# Allegro board C112P01-T2-ZDS-A03.brd (continued)
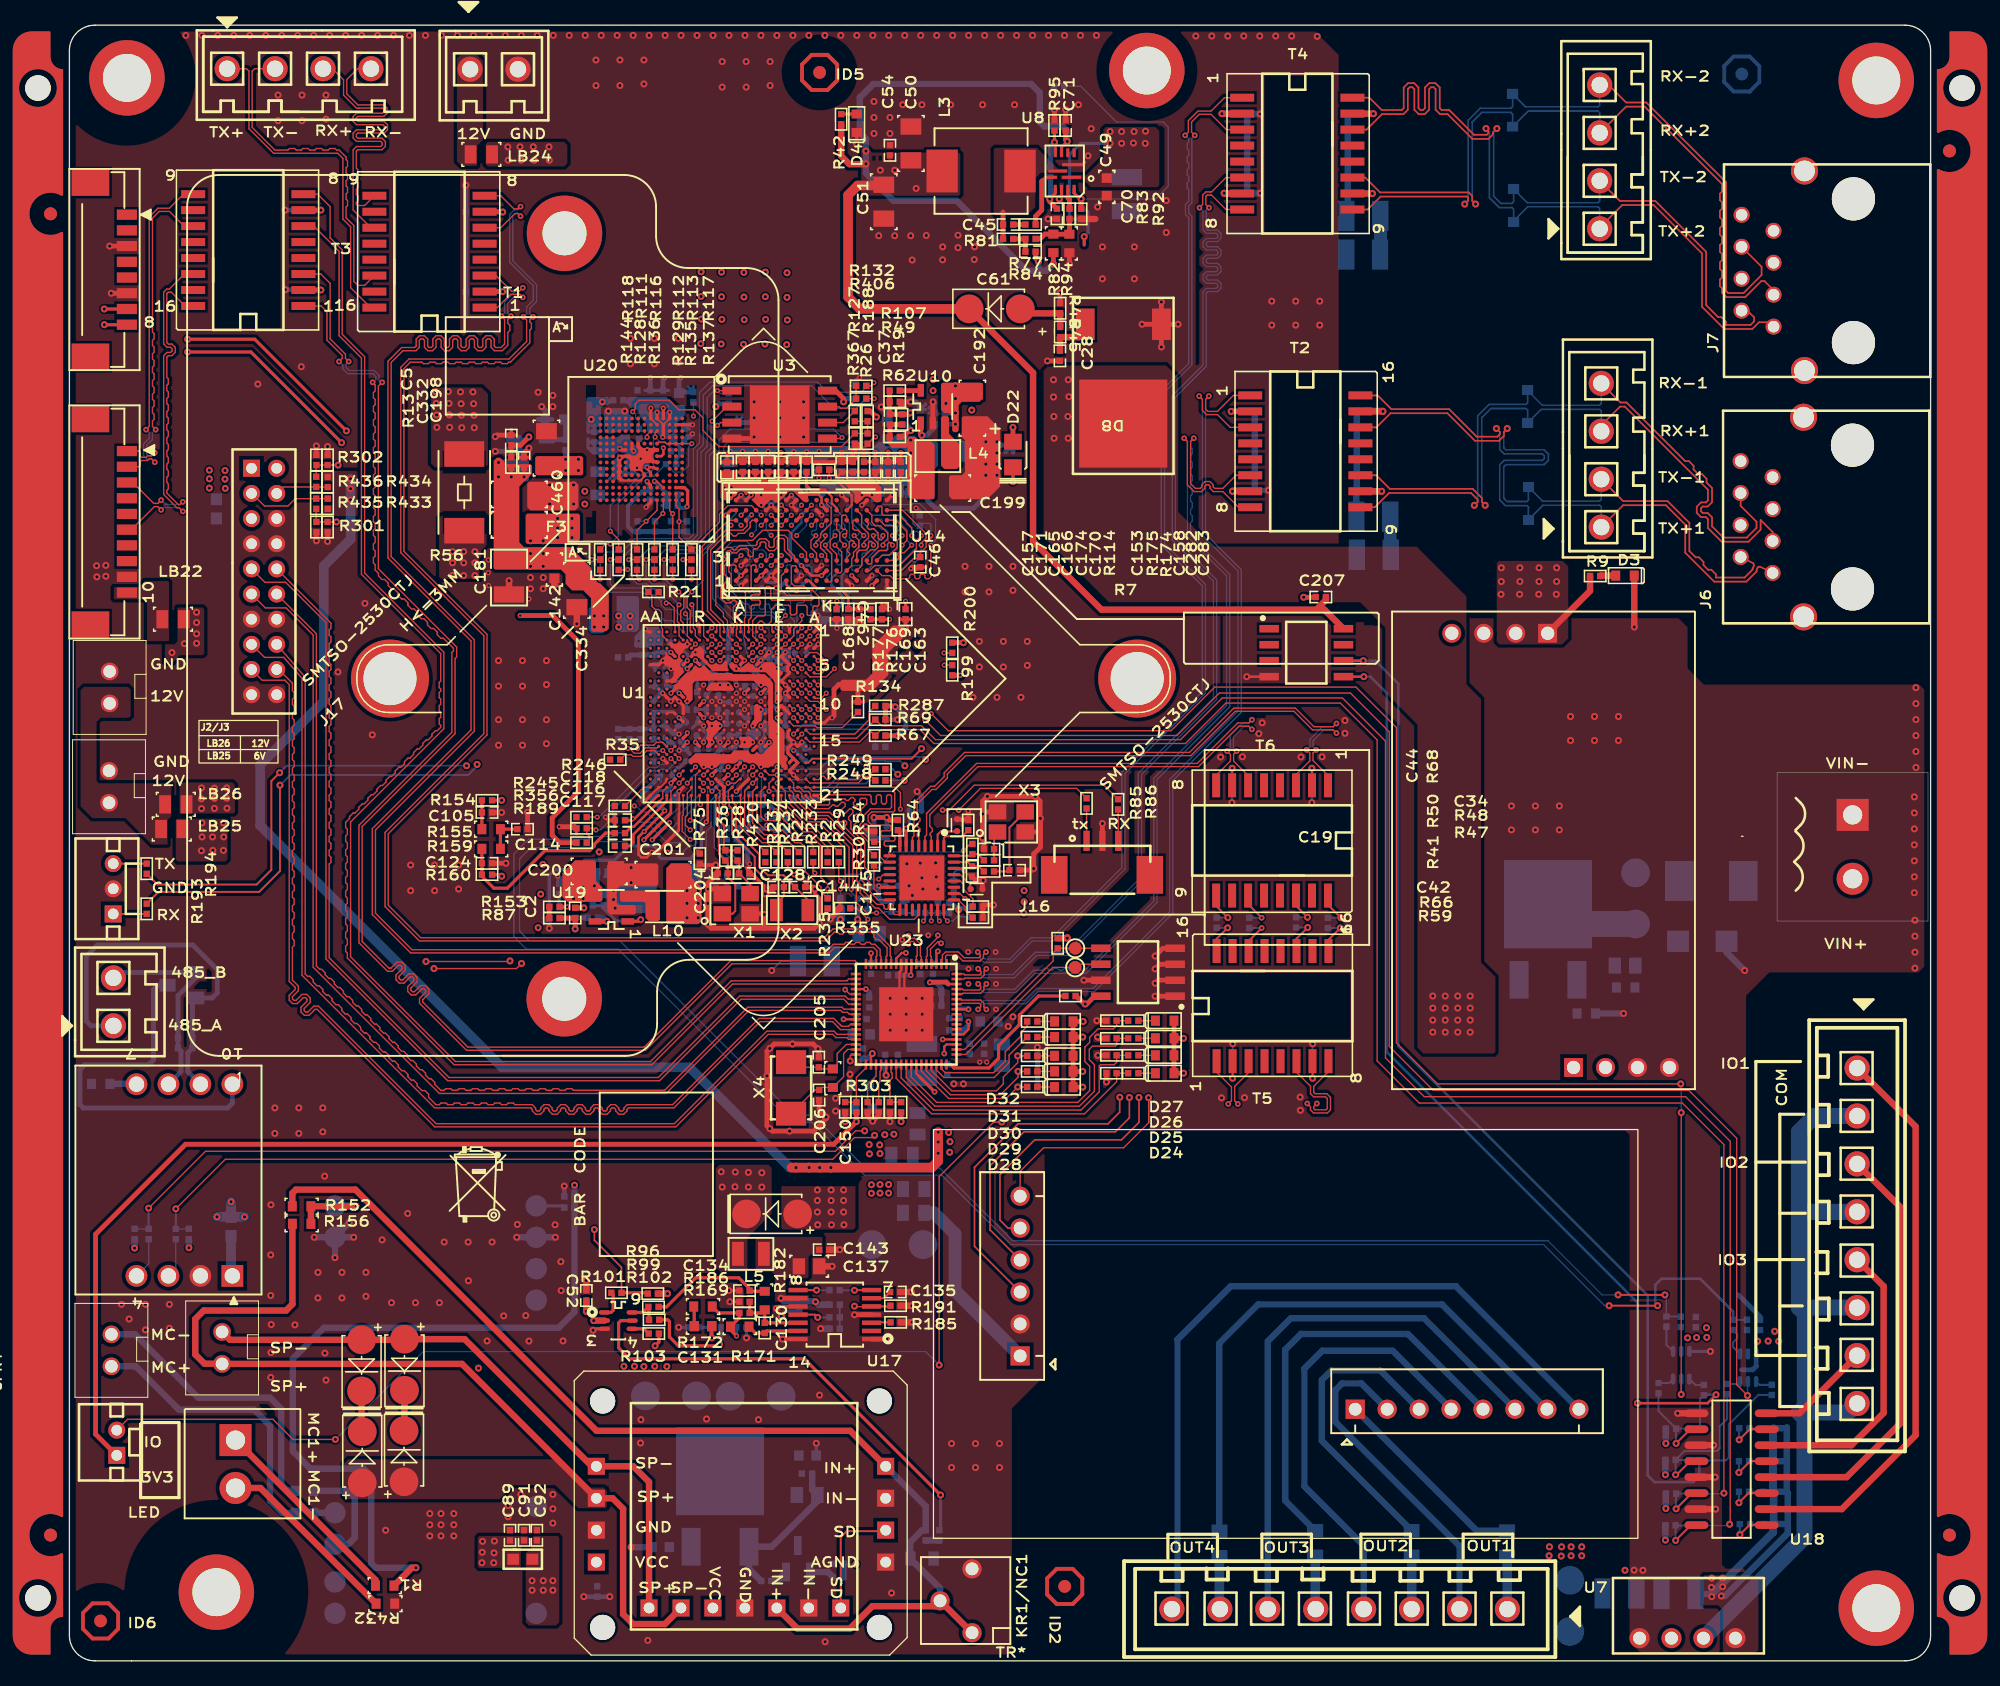
[diagram p0: board, top side]
## Copper pours and planes (outline as drawn; the poured copper is in the pictures) (continued)
N16898246 on TOP: 31.07,127.66 32.42,127.66 32.88,127.2 32.88,120.94 32.41,120.46 32.41,118.91 32.35,118.85 31.17,118.85 30.81,119.22 30.81,127.4
N16937131 on BOTTOM: 129.01,63.84 129.4,63.45 129.4,56.45 129.08,56.13 127.01,56.13 126.8,56.35 126.8,60.77 126.12,61.44 122.91,61.44 122.58,61.77 122.58,63.63 122.8,63.84
N16994610 on BOTTOM: 118.03,0.51 117.68,0.86 117.68,3.33 118.06,3.71 120.14,3.71 120.9,4.47 120.9,6.73 121.01,6.83 122.63,6.83 122.78,6.68 122.78,4.19 123.32,3.66 126.19,3.66 126.97,2.87 128.37,2.87 128.45,2.79 128.45,0.63 128.32,0.51
N17069014 on TOP: 3.58,84.4 5.94,84.4 6.17,84.18 6.17,81.13 6.22,81.08 7.87,81.08 7.92,81.13 7.92,85.75 7.82,85.85 5.99,85.85 5.51,85.37 3.56,85.37 3.53,85.34 3.53,84.45
N17150081 on BOTTOM: 124.04,53.04 125.68,53.04 125.77,53.12 125.77,59.44 125.46,59.74 123.58,59.74 123.37,59.52 123.37,56.86 123.74,56.49 123.74,53.34
N17150088 on BOTTOM: 119.35,51.02 120.23,51.02 120.45,51.23 120.45,52.53 120.9,52.98 123.24,52.98 123.37,53.11 123.37,55.88 123.22,56.03 119.33,56.03 119.04,55.74 119.04,51.33
N17153522 on BOTTOM: 55.66,22.22 58.37,22.22 58.53,22.06 58.53,12.73 57.19,11.38 48.34,11.38 48.02,11.7 48.02,18.38 48.31,18.67 55.04,18.67 55.32,18.95 55.32,21.88
N17602039 on TOP: 73.48,120.17 73.61,120.29 76.91,120.29 78.59,118.62 79.22,118.62 79.32,118.52 79.32,118.39 79.25,118.31 77.22,118.31 76.78,117.88 76.78,115.6 76.15,114.96 73.61,114.96 73.48,115.09
N17619513 on TOP: 36.27,8.53 36.27,3.07 36.53,2.82 38.68,2.82 38.94,3.07 38.94,9.8 38.81,9.93 36.91,9.93 36.78,9.8 36.78,9.04
N17619513 on BOTTOM: 36.27,6.63 36.27,3.07 36.53,2.82 38.68,2.82 38.94,3.07 38.94,6.63 38.68,6.88 36.53,6.88
N17958278 on BOTTOM: 10.87,89.94 15.19,89.94 15.32,90.07 15.32,91.59 15.19,91.72 14.2,91.72 13.87,91.39 10.87,91.39 10.74,91.26 10.74,90.07
N171540091 on BOTTOM: 48.95,19.8 53.56,19.8 53.81,20.05 53.81,21.93 53.56,22.19 48.95,22.19 48.69,21.93 48.69,20.05

## Text on the board
Ref Des/Silkscreen Bottom: B
User.Comments: CR_11_3 | CR_12_3 | CR_UNNAMED_2 | CR_12_4
Ref Des/Assembly Top: L | C
Ref Des/Silkscreen Top: J2/J3 | LB26 | LB25 | 12V | 6V | A | IO1- | IO4+ | IO1+ | IO2- | IO2+ | IO3- | IO3+ | IO4- | VIN+ | TX | RX | G | VIN- | M0- | M0+ | GND | 3V3 | LED | IO | 3V3_BD | RST | SWIM | SPK- | SPK+ | PTX+4 | PTX-4 | PRX+4 | PRX-4 | OUT3 | OUT4 | OUT2 | OUT1 | 5V | RS485_2_B_D- | RS485_2_A_D+ | PRX-1 | PRX+1 | PTX-1 | PTX+1 | PRX-2 | PRX+2 | PTX-2 | PTX+2 | MC- | MC+ | 485_A | 485_B | TX+ | TX- | SP- | SP+ | RX+ | RX- | tx | TX+2 | RX-1 | TX-1 | TX+1 | RX-2 | RX+2 | TX-2 | RX+1 | IO3 | IO2 | IO1 | COM | MC1+ | MC1-
DIMENSION: Surface Finished | Compare With IPC File: | Short Net NO. | Silkscreen Color: | Soldermask Color: | Dielectric Material: | DESIGN BY EDADOC | Tg: | Board Name:C000PG015-T2-ZDS-A02 | [XX] | If the layers  10, TG must be 170 | Layers:06 | Short Net Name: | E-Mail:edadoc@pcbdoc.com | HASL(Sn/Pb) | White | Green | OSP | FR-4 | Default | Golden Finger,Others HASL(Pb-Free) | Golden Finger,Others HASL(Sn/Pb) | Yes | xxxxx | ImAg | Yellow | Other | No | HASL(Pb-Free) | Blue | Mid-Tg | 150 | C | Panel Mode: | Tel: +86-755-88852189 | Board Thickness:1.6 mm+/-10% | ImSn | Immersion Gold(ENIG) | Red | Black | Golden Finger,Others ENIG | Golden Finger,Others OSP | Hi-Tg | 170 | 1x1 | XXXXX | Etched Core | Single Impedance | PREPREG | BOT06 | PWR05 | CORE | TOP01 | ART03 | GND02 | ART04 | Diff Impedance | Layers | 50.0 | (ohm) | 100 | Design Layer | Layer Stack up | Solder Top | 1,6 | 3,4 | 3 | Solder Bot | Silk Top | Silk Bot | Trace Width | Trace W/S | 5.098/5.99 | 4.012/5.99 | (mil) | 4.00 | PP,EC,PP | Tolerance | Type | (OHM) | PP | (%) | + | - | 10 | 5 | Frequency | (MHZ) | 36.08 | 1.6 | 3.5 | 1.2 | 5.12 | Thickness | L2//L5 | L2&L5 | L2 | Ref.Layers | 0.5+plating | (Oz) | 1.0 | is D<0.8MM or D>2.5MM when using V-CUT | D=The board thickness | Please confirm with EQ if the board thickness | B=0.35 0.1MM(0.8MM D 1.2MM) | B=0.40 0.1MM(1.2MM D 1.6MM) | C 0.5mm(Design Recommend)
BODY_CENTER: 59 | 60 | 2
PLACE_BOUND_TOP: M1 | X2 | R6 | C13 | L1 | HIAP6255 VER.A | M2 | U1 | C3 | C5 | R19 | C16 | C8 | C9 | X1 | C7 | J1 | C2 | C1 | LB1 | R18 | R12 | R16 | R15 | R3 | R14 | C6 | R2 | R13 | R17 | R11 | C10 | R5 | R10 | C4 | R7 | R9 | R8 | R260 | C15 | R1 | C11 | R4 | C12 | C17
DEVICE_TYPE_TOP: 59 | 2 | 60 | J2 | C14
User.16: L | A | B | C | D | E | F | G | H | I | K | U13 | J | N | Surface Finished | Compare With IPC File: | Short Net NO. | Silkscreen Color: | Soldermask Color: | Dielectric Material: | DESIGN BY EDADOC | Tg: | Board Name:C000PC009-HI3516DV300-CORE-A-A01 | [XX] | If the layers  10, TG must be 170 | Layers:06 | Short Net Name: | E-Mail:edadoc@pcbdoc.com | HASL(Sn/Pb) | White | Green | OSP | FR-4 | Default | Golden Finger,Others HASL(Pb-Free) | Golden Finger,Others HASL(Sn/Pb) | Yes | xxxxx | ImAg | Yellow | Other | No | HASL(Pb-Free) | Blue | Mid-Tg | 150 | Panel Mode: | Tel: +86-755-88852189 | Board Thickness:1.6 mm+/-10% | ImSn | Immersion Gold(ENIG) | Red | Black | Golden Finger,Others ENIG | Golden Finger,Others OSP | Hi-Tg | 170 | 2x2 | XXXXX | Etched Core | Single Impedance | PREPREG | BOT06 | PWR05 | CORE | TOP01 | ART03 | GND02 | ART04 | Diff Impedance | Layers | 50.0 | (ohm) | 100 | 90 | Design Layer | Layer Stack up | Solder Top | 1,6 | 3,4 | 6 | 3 | Solder Bot | Silk Top | Silk Bot | Trace Width | Trace W/S | 4.01/6.49 | 4.10/6.4 | 4.00/10 | 6.00/6.50 | 5.10/6.70 | (mil) | 4.00 | PP,EC,PP | Tolerance | Type | (OHM) | PP | (%) | + | - | 10 | 5 | Frequency | (MHZ) | 36.08 | 1.6 | 3.5 | 1.2 | 5.12 | Thickness | L2//L5 | L5 | L2&L5 | Ref.Layers | 0.5+plating | (Oz) | 1.0 | FIGURE | SIZE | 8.0 | 10.0 | 33.46 | 35.0 | 36.0 | 39.37 | 40.0 | 51.18 | 60.0 | 65.0 | 150.0 | 78.74 | 135.0 | DRILL CHART: TOP to BOTTOM | ALL UNITS ARE IN MILS | TOLERANCE | +0.0/-0.0 | +1.0/-1.0 | PLATED | NON-PLATED | QTY | 475 | 1066 | 52 | 32 | 24 | 2 | 34 | 1 | 4 | is D<0.8MM or D>2.5MM when using V-CUT | D=The board thickness | Please confirm with EQ if the board thickness | B=0.35 0.1MM(0.8MM D 1.2MM) | B=0.40 0.1MM(1.2MM D 1.6MM) | M | C 0.5mm(Design Recommend) | C000PC009-HI3516DV300-CORE-A-A01 DRILL CHART
User.27: FIGURE | SIZE | 8.0 | 10.0 | 33.461 | 36.0 | 39.37 | 40.0 | 40.37 | 41.339 | 48.0 | 51.181 | 60.0 | 65.0 | 137.799 | 150.0 | 166.142 | 78.74 | 80.0 | 135.0 | DRILL CHART: TOP to BOTTOM | ALL UNITS ARE IN MILS | TOLERANCE | +0.0/-0.0 | +1.0/-1.0 | PLATED | NON-PLATED | QTY | 518 | 978 | 40 | 16 | 8 | 15 | 2 | 4 | 32 | 5
